# Altium PCB DM2080.PcbDoc (part 3 of 3)
Units mm, origin at the board's own origin, x right, y up, seen from the top; angles counter-clockwise.
Board outline 50.1 x 30.75 mm, 6 copper layers (Top Copper, Layer 1, Layer 2, Layer 3, Layer 4, Bottom Layer), stack 1.578 mm thick; 159 components, 153 nets, 662 pads, 471 vias.
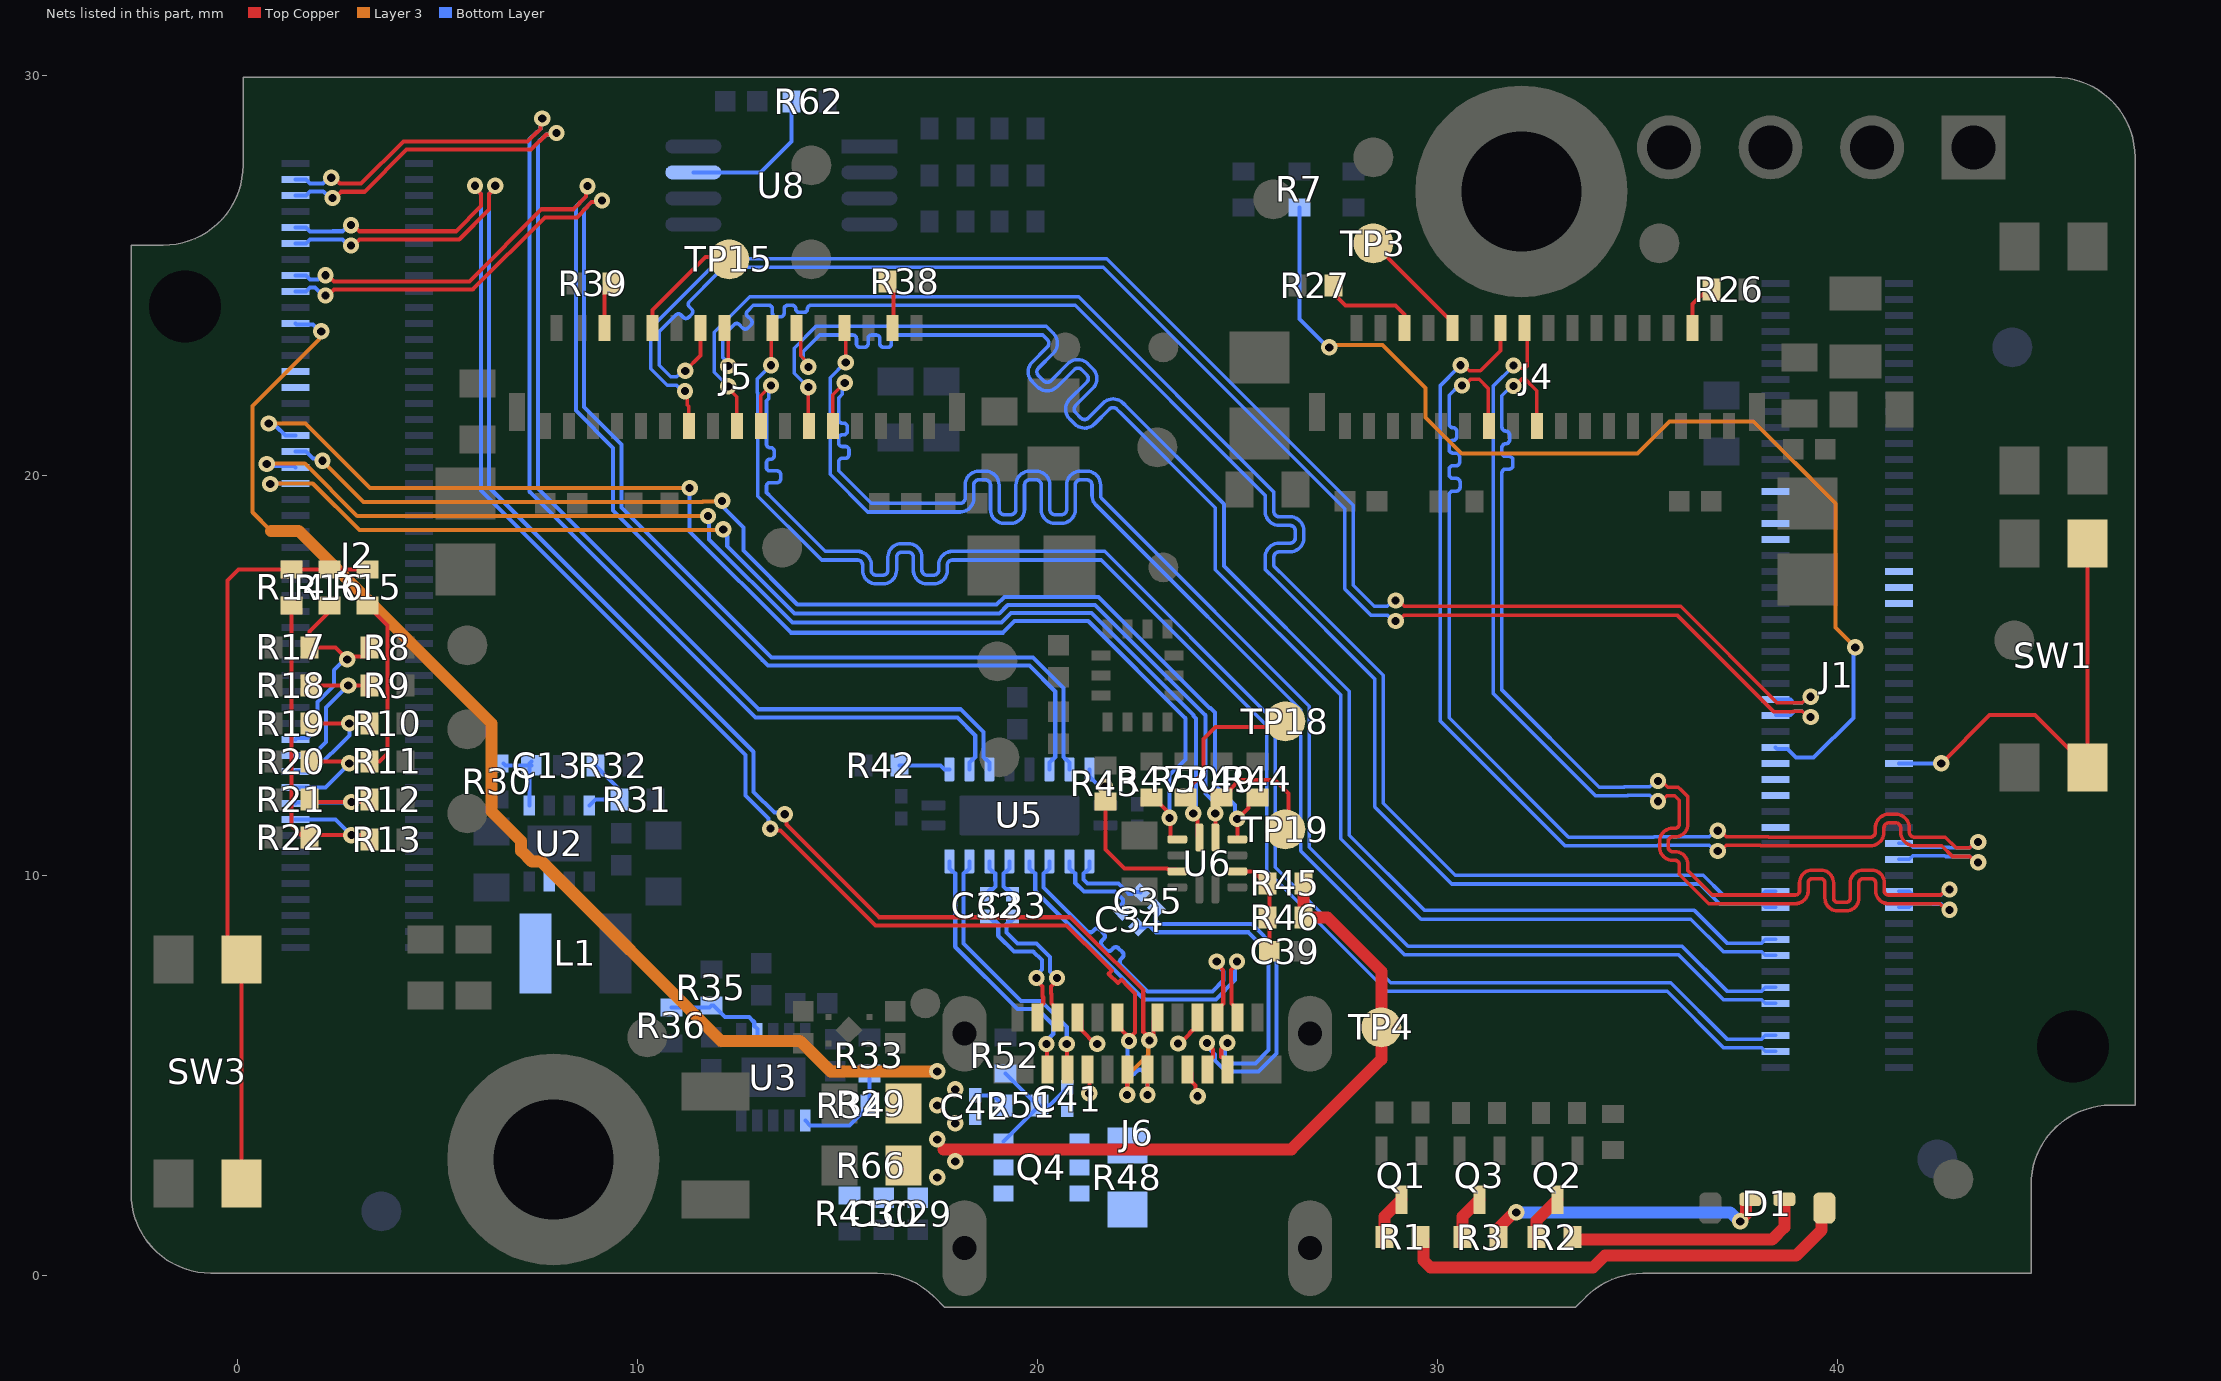
[diagram p7: the nets of this part, all layers, seen from the top]

## Via types
v1: diameter 0.406, hole 0.203, Top Copper to Bottom Layer, tented both sides, 471 vias

## Nets (pads, with @x,y where several pads share a name; then routed paths per layer and width w, separated by ;. In a path a pad name is that pad's centre, name@x,y a point inside that pad or via, vN(x,y) a via of type N, cw(c..) or ccw(c..) an arc to the next point about the centre after c; other vN are vias at no path point) (continued)
MIPI_RX5_D0_N: J1.21 J4.16 | length 28.7
  Top Copper w0.089: v1(31.907,22.743) 31.993,22.743 32.055,22.681 32.199,22.681 32.251,22.733 32.251,23.614 J4.16@32.18,23.684 ; v1(35.519,11.852) 35.604,11.852 35.738,11.986 35.937,11.986 36.047,11.876 ; 36.047,11.877 36.049,11.877 36.05,11.876 36.05,11.679 36.05,11.287 cw(c35.94,11.287) 35.94,11.176 35.884,11.176 ccw(c35.884,10.85) 35.557,10.85 35.557,10.703 ccw(c35.884,10.703) 35.884,10.377 35.94,10.377 cw(c35.94,10.266) 36.05,10.266 36.05,10.114 36.05,10.025 36.782,9.292 38.798,9.292 38.951,9.292 ccw(c38.951,9.613) 39.271,9.613 39.271,9.812 cw(c39.376,9.812) 39.376,9.917 39.585,9.917 cw(c39.585,9.812) 39.69,9.812 39.69,9.432 ccw(c40.01,9.432) 40.01,9.111 40.22,9.111 ccw(c40.22,9.432) 40.54,9.432 40.54,9.812 cw(c40.645,9.812) 40.645,9.917 40.854,9.917 cw(c40.854,9.812) 40.959,9.812 40.959,9.613 ccw(c41.279,9.613) 41.279,9.292 42.49,9.292 42.567,9.292 42.722,9.137 v1(42.808,9.137)
  Bottom Layer w0.089: v1(31.907,22.743) 31.397,22.234 31.397,21.432 31.4,21.429 31.4,14.545 33.955,11.99 34.759,11.99 34.767,11.999 35.308,11.999 35.454,11.852 v1(35.519,11.852) ; J1.21@41.54,9.2 41.8,9.2 41.892,9.292 42.38,9.292 42.388,9.284 42.597,9.284 42.743,9.137 v1(42.808,9.137)
MIPI_RX5_D0_P: J1.23 J4.17 | length 28.7
  Top Copper w0.089: v1(31.907,22.235) 31.943,22.235 32.118,22.41 32.191,22.41 32.488,22.114 J4.17@32.488,21.234 ; v1(35.519,12.36) 35.604,12.36 35.761,12.204 36.027,12.204 36.091,12.14 36.266,11.965 36.266,11.876 36.266,11.679 36.266,11.287 cw(c35.94,11.287) 35.94,10.96 35.884,10.96 ccw(c35.884,10.85) 35.773,10.85 35.773,10.703 ccw(c35.884,10.703) 35.884,10.593 35.94,10.593 cw(c35.94,10.266) 36.266,10.266 36.266,10.114 36.872,9.508 38.798,9.508 38.951,9.508 ccw(c38.951,9.613) 39.055,9.613 39.055,9.812 cw(c39.376,9.812) 39.376,10.132 39.585,10.132 cw(c39.585,9.812) 39.906,9.812 39.906,9.432 ccw(c40.01,9.432) 40.01,9.327 40.22,9.327 ccw(c40.22,9.432) 40.324,9.432 40.324,9.812 cw(c40.645,9.812) 40.645,10.132 40.854,10.132 cw(c40.854,9.812) 41.174,9.812 41.174,9.613 ccw(c41.279,9.613) 41.279,9.508 42.49,9.508 42.584,9.508 42.722,9.645 v1(42.808,9.645)
  Bottom Layer w0.089: v1(31.907,22.235) 31.858,22.235 31.613,21.991 31.613,21.521 31.616,21.518 31.616,21.35 31.616,21.202 ccw(c31.711,21.202) 31.711,21.107 cw(c31.711,21.012) 31.806,21.012 31.806,20.885 cw(c31.711,20.885) 31.711,20.79 ccw(c31.711,20.695) 31.616,20.695 31.616,20.568 ccw(c31.711,20.568) 31.711,20.473 31.796,20.473 cw(c31.796,20.378) 31.891,20.378 31.891,20.252 cw(c31.796,20.252) 31.796,20.156 31.711,20.156 ccw(c31.711,20.061) 31.616,20.061 31.616,19.7 31.616,14.634 34.044,12.206 34.669,12.206 34.678,12.214 35.308,12.214 35.454,12.36 v1(35.519,12.36) ; J1.23@41.54,9.6 41.8,9.6 41.892,9.508 42.469,9.508 42.478,9.499 42.597,9.499 42.743,9.645 v1(42.808,9.645)
MIPI_RX5_D1_N: J1.27 J4.14 | length 28.8
  Top Copper w0.089: v1(30.584,22.753) 30.658,22.753 30.794,22.616 31.079,22.616 31.58,23.117 J4.14@31.58,23.684 ; v1(37.011,10.607) 37.075,10.607 37.221,10.753 38.068,10.753 38.081,10.74 40.672,10.74 40.825,10.74 ccw(c40.825,11.081) 41.166,11.081 41.166,11.187 cw(c41.292,11.187) 41.292,11.312 41.459,11.312 cw(c41.459,11.187) 41.585,11.187 41.585,11.081 ccw(c41.926,11.081) 41.926,10.74 42.487,10.74 42.61,10.74 42.879,10.471 43.31,10.471 43.456,10.325 v1(43.521,10.325)
  Bottom Layer w0.089: v1(30.584,22.753) 30.518,22.753 30.518,22.687 30.078,22.247 30.078,13.853 33.192,10.74 35.502,10.74 35.516,10.753 36.8,10.753 36.946,10.607 v1(37.011,10.607) ; J1.27@41.54,10.4 41.8,10.4 41.892,10.492 42.691,10.492 42.712,10.471 43.31,10.471 43.456,10.325 v1(43.521,10.325)
MIPI_RX5_D1_P: J1.29 J4.13 | length 28.8
  Top Copper w0.089: v1(30.618,22.246) 30.675,22.246 30.829,22.4 31.05,22.4 31.278,22.172 31.278,21.244 J4.13@31.288,21.234 ; v1(37.011,11.115) 37.075,11.115 37.221,10.969 38.27,10.969 38.284,10.956 40.672,10.956 40.825,10.956 ccw(c40.825,11.081) 40.95,11.081 40.95,11.187 cw(c41.292,11.187) 41.292,11.528 41.459,11.528 cw(c41.459,11.187) 41.801,11.187 41.801,11.081 ccw(c41.926,11.081) 41.926,10.956 42.487,10.956 42.7,10.956 42.969,10.687 43.31,10.687 43.456,10.833 v1(43.521,10.833)
  Bottom Layer w0.089: v1(30.618,22.246) 30.542,22.246 30.294,21.998 30.294,21.5 30.294,21.286 ccw(c30.389,21.286) 30.389,21.191 cw(c30.389,21.096) 30.484,21.096 30.484,20.969 cw(c30.389,20.969) 30.389,20.874 ccw(c30.389,20.779) 30.294,20.779 30.294,20.652 ccw(c30.389,20.652) 30.389,20.557 30.464,20.557 cw(c30.464,20.462) 30.559,20.462 30.559,20.335 cw(c30.464,20.335) 30.464,20.24 30.389,20.24 ccw(c30.389,20.145) 30.294,20.145 30.294,20.018 ccw(c30.389,20.018) 30.389,19.923 30.473,19.923 cw(c30.473,19.828) 30.568,19.828 30.568,19.702 cw(c30.473,19.702) 30.473,19.606 30.389,19.606 ccw(c30.389,19.511) 30.294,19.511 30.294,19.15 30.294,13.943 33.282,10.956 35.413,10.956 35.426,10.969 36.8,10.969 36.946,11.115 v1(37.011,11.115) ; J1.29@41.54,10.8 41.8,10.8 41.892,10.708 42.781,10.708 42.802,10.687 43.31,10.687 43.456,10.833 v1(43.521,10.833)
MIPI_RX6_C_N: J1.4 J5.20 | length 39.7
  Top Copper w0.089: v1(13.343,22.754) 13.343,23.663 J5.20@13.38,23.7
  Bottom Layer w0.089: v1(13.343,22.754) 13.278,22.754 13.278,22.689 12.994,22.404 12.994,22.079 13.013,22.059 13.013,19.481 14.486,18.009 14.611,17.884 15.506,17.884 cw(c15.506,17.759) 15.632,17.759 15.632,17.629 ccw(c15.973,17.629) 15.973,17.288 16.141,17.288 ccw(c16.141,17.629) 16.482,17.629 16.482,17.954 cw(c16.608,17.954) 16.608,18.079 16.775,18.079 cw(c16.775,17.954) 16.9,17.954 16.9,17.629 ccw(c17.242,17.629) 17.242,17.288 17.409,17.288 ccw(c17.409,17.629) 17.751,17.629 17.751,17.759 cw(c17.876,17.759) 17.876,17.884 19.084,17.884 21.595,17.884 25.734,13.745 25.734,10.116 28.75,7.1 35.745,7.1 37.153,5.692 38.108,5.692 38.2,5.6 J1.4@38.46,5.6
MIPI_RX6_C_P: J1.6 J5.19 | length 39.6
  Top Copper w0.089: J5.19@13.088,21.25 13.088,21.99 v1(13.343,22.246)
  Bottom Layer w0.089: v1(13.343,22.246) 13.282,22.185 13.282,21.921 13.229,21.868 13.229,21.388 13.229,20.782 ccw(c13.318,20.782) 13.318,20.693 13.334,20.693 cw(c13.334,20.605) 13.422,20.605 13.422,20.489 cw(c13.334,20.489) 13.334,20.401 13.317,20.401 ccw(c13.317,20.314) 13.229,20.314 13.229,20.197 ccw(c13.317,20.197) 13.317,20.11 13.494,20.11 cw(c13.494,20.022) 13.581,20.022 13.581,19.906 cw(c13.494,19.906) 13.494,19.818 13.318,19.818 ccw(c13.318,19.729) 13.229,19.729 13.229,19.571 13.362,19.438 14.486,18.314 14.7,18.1 15.506,18.1 cw(c15.506,17.759) 15.848,17.759 15.848,17.629 ccw(c15.973,17.629) 15.973,17.503 16.141,17.503 ccw(c16.141,17.629) 16.266,17.629 16.266,17.954 cw(c16.608,17.954) 16.608,18.295 16.775,18.295 cw(c16.775,17.954) 17.116,17.954 17.116,17.629 ccw(c17.242,17.629) 17.242,17.503 17.409,17.503 ccw(c17.409,17.629) 17.535,17.629 17.535,17.759 cw(c17.876,17.759) 17.876,18.1 19.084,18.1 21.685,18.1 25.95,13.835 25.95,10.205 28.839,7.316 35.834,7.316 37.242,5.908 38.108,5.908 38.2,6 J1.6@38.46,6
MIPI_RX6_D0_N: J1.10 J5.26 | length 39.8
  Top Copper w0.089: J5.26@15.18,23.7 15.211,23.67 v1(15.211,22.82)
  Bottom Layer w0.089: v1(15.211,22.82) 15.201,22.82 14.819,22.438 14.819,20.025 15.761,19.084 17.917,19.084 18.069,19.084 ccw(c18.069,19.426) 18.411,19.426 18.411,19.761 cw(c18.536,19.761) 18.536,19.886 18.704,19.886 cw(c18.704,19.761) 18.829,19.761 18.829,19.144 ccw(c19.171,19.144) 19.171,18.802 19.338,18.802 ccw(c19.338,19.144) 19.68,19.144 19.68,19.761 cw(c19.805,19.761) 19.805,19.886 19.973,19.886 cw(c19.973,19.761) 20.098,19.761 20.098,19.144 ccw(c20.44,19.144) 20.44,18.802 20.607,18.802 ccw(c20.607,19.144) 20.948,19.144 20.948,19.761 cw(c21.074,19.761) 21.074,19.886 21.241,19.886 cw(c21.241,19.761) 21.367,19.761 21.367,19.499 ccw(c21.708,19.499) 21.467,19.257 21.967,18.758 26.584,14.14 26.584,10.611 29.179,8.016 36.029,8.016 37.153,6.892 38.108,6.892 38.2,6.8 J1.10@38.46,6.8
MIPI_RX6_D0_P: J1.12 J5.25 | length 39.7
  Top Copper w0.089: J5.25@14.888,21.25 14.888,22.013 v1(15.188,22.312)
  Bottom Layer w0.089: v1(15.188,22.312) 15.127,22.252 15.127,22.027 15.035,21.936 15.035,21.85 15.035,21.393 ccw(c15.124,21.393) 15.124,21.304 15.163,21.304 cw(c15.163,21.217) 15.251,21.217 15.251,21.1 cw(c15.163,21.1) 15.163,21.013 15.123,21.013 ccw(c15.123,20.925) 15.035,20.925 15.035,20.809 ccw(c15.123,20.809) 15.123,20.721 15.204,20.721 cw(c15.204,20.634) 15.292,20.634 15.292,20.517 cw(c15.204,20.517) 15.204,20.43 15.124,20.43 ccw(c15.124,20.341) 15.035,20.341 15.035,20.115 15.1,20.05 15.85,19.3 17.917,19.3 18.069,19.3 ccw(c18.069,19.426) 18.195,19.426 18.195,19.761 cw(c18.536,19.761) 18.536,20.102 18.704,20.102 cw(c18.704,19.761) 19.045,19.761 19.045,19.144 ccw(c19.171,19.144) 19.171,19.018 19.338,19.018 ccw(c19.338,19.144) 19.464,19.144 19.464,19.761 cw(c19.805,19.761) 19.805,20.102 19.973,20.102 cw(c19.973,19.761) 20.314,19.761 20.314,19.144 ccw(c20.44,19.144) 20.44,19.018 20.607,19.018 ccw(c20.607,19.144) 20.733,19.144 20.733,19.761 cw(c21.074,19.761) 21.074,20.102 21.241,20.102 cw(c21.241,19.761) 21.583,19.761 21.583,19.499 ccw(c21.708,19.499) 21.619,19.41 22.095,18.935 26.8,14.23 26.8,10.7 29.269,8.231 36.119,8.231 37.242,7.108 38.108,7.108 38.2,7.2 J1.12@38.46,7.2
MIPI_RX6_D1_N: J1.16 J5.22 | length 39.7
  Top Copper w0.089: J5.22@13.98,23.7 14.086,23.594 14.086,22.989 14.275,22.799 v1(14.275,22.713)
  Bottom Layer w0.089: v1(14.275,22.713) 14.275,22.791 14.142,22.924 14.142,23.092 14.559,23.509 15.054,23.509 15.39,23.509 cw(c15.39,23.42) 15.479,23.42 15.479,23.291 ccw(c15.567,23.291) 15.567,23.204 15.683,23.204 ccw(c15.683,23.291) 15.771,23.291 15.771,23.421 cw(c15.858,23.421) 15.858,23.509 15.975,23.509 cw(c15.975,23.421) 16.062,23.421 16.062,23.291 ccw(c16.15,23.291) 16.15,23.204 16.266,23.204 ccw(c16.266,23.291) 16.354,23.291 16.354,23.42 cw(c16.443,23.42) 16.443,23.509 16.847,23.509 19.695,23.509 20.136,23.509 20.249,23.396 cw(c20.155,23.302) 20.249,23.207 19.845,22.803 19.845,22.798 ccw(c20.123,22.588) 19.877,22.34 20.001,22.216 ccw(c20.249,22.462) 20.495,22.215 20.92,22.64 ; 20.92,22.64 cw(c21.014,22.546) 21.109,22.64 21.234,22.515 cw(c21.14,22.421) 21.234,22.326 ; 21.234,22.326 20.778,21.87 20.778,21.865 ccw(c21.056,21.655) 20.81,21.407 20.934,21.283 ccw(c21.182,21.529) 21.428,21.282 21.801,21.655 cw(c21.895,21.561) 21.99,21.655 22.097,21.547 24.451,19.193 24.451,17.643 27.584,14.511 27.584,10.916 29.594,8.906 36.338,8.906 37.153,8.092 38.108,8.092 38.2,8 J1.16@38.46,8
MIPI_RX6_D1_P: J1.18 J5.23 | length 39.6
  Top Copper w0.089: v1(14.275,22.205) 14.275,21.262 J5.23@14.288,21.25
  Bottom Layer w0.089: v1(14.275,22.205) 13.926,22.555 13.926,23.181 14.469,23.724 19.911,23.724 20.226,23.724 20.402,23.548 cw(c20.155,23.302) 20.402,23.055 20.029,22.682 ; 20.029,22.682 ccw(c20.123,22.588) 20.029,22.494 20.155,22.368 ccw(c20.249,22.462) 20.343,22.368 20.799,22.825 20.804,22.825 cw(c21.014,22.546) 21.261,22.793 21.387,22.667 cw(c21.14,22.421) 21.387,22.174 20.962,21.749 ; 20.962,21.749 ccw(c21.056,21.655) 20.962,21.561 21.088,21.435 ccw(c21.182,21.529) 21.276,21.435 21.649,21.808 cw(c21.895,21.561) 22.142,21.808 22.25,21.7 24.667,19.283 24.667,17.733 27.8,14.6 27.8,11.005 29.683,9.122 36.428,9.122 37.242,8.308 38.108,8.308 38.2,8.4 J1.18@38.46,8.4
MIPI_RX7_D0_N: J1.22 J5.16 | length 39.8
  Top Copper w0.089: J5.16@12.18,23.7 12.273,23.607 v1(12.273,22.734)
  Bottom Layer w0.089: v1(12.273,22.734) 12.273,22.811 12.14,22.945 12.14,23.49 12.184,23.534 12.422,23.772 cw(c12.485,23.709) 12.547,23.772 12.638,23.681 ccw(c12.7,23.743) 12.762,23.681 12.844,23.763 ccw(c12.783,23.825) 12.844,23.887 12.754,23.978 cw(c12.816,24.041) 12.754,24.104 12.9,24.25 12.914,24.25 12.954,24.25 13.29,24.25 cw(c13.29,24.161) 13.379,24.161 13.379,24.051 ccw(c13.466,24.051) 13.466,23.964 13.583,23.964 ccw(c13.583,24.051) 13.67,24.051 13.67,24.163 cw(c13.758,24.163) 13.758,24.25 13.874,24.25 cw(c13.874,24.163) 13.962,24.163 13.962,24.161 ccw(c14.049,24.161) 14.049,24.074 14.166,24.074 ccw(c14.166,24.161) 14.253,24.161 cw(c14.342,24.161) 14.342,24.25 14.634,24.25 20.945,24.25 25.699,19.496 25.699,19.25 25.699,19.098 ccw(c26.048,19.098) 26.048,18.749 26.316,18.749 cw(c26.316,18.615) 26.449,18.615 26.449,18.438 cw(c26.316,18.438) 26.316,18.305 26.048,18.305 ccw(c26.048,17.956) 25.699,17.956 25.699,17.646 25.945,17.4 28.434,14.911 28.434,11.711 30.361,9.784 36.561,9.784 37.053,9.292 38.108,9.292 38.2,9.2 J1.22@38.46,9.2
MIPI_RX7_D0_P: J1.24 J5.17 | length 39.8
  Top Copper w0.089: v1(12.273,22.226) 12.273,22.18 12.488,21.965 J5.17@12.488,21.25
  Bottom Layer w0.089: v1(12.273,22.226) 12.208,22.226 12.208,22.291 11.924,22.575 11.924,23.579 12.811,24.466 21.034,24.466 25.915,19.585 25.915,19.25 25.915,19.098 ccw(c26.048,19.098) 26.048,18.964 26.316,18.964 cw(c26.316,18.615) 26.665,18.615 26.665,18.438 cw(c26.316,18.438) 26.316,18.089 26.048,18.089 ccw(c26.048,17.956) 25.915,17.956 25.915,17.735 26.25,17.4 28.65,15 28.65,11.8 30.45,10 36.65,10 37.142,9.508 38.108,9.508 38.2,9.6 J1.24@38.46,9.6
MIPI_RX7_D1_N: J1.46 J5.14 | length 39.7
  Top Copper w0.089: v1(11.198,22.612) 11.58,22.995 J5.14@11.58,23.684 ; v1(28.959,16.361) 29.023,16.361 29.169,16.507 35.993,16.507 38.406,14.094 38.892,14.094 38.9,14.103 39.123,14.103 39.27,13.957 v1(39.334,13.957)
  Bottom Layer w0.089: v1(11.198,22.612) 11.133,22.612 10.987,22.466 10.839,22.466 10.55,22.755 10.55,23.595 10.728,23.772 10.965,24.01 cw(c11.028,23.947) 11.091,24.01 11.154,23.947 ccw(c11.216,24.008) 11.278,23.947 11.36,24.029 ccw(c11.298,24.091) 11.36,24.153 11.297,24.216 cw(c11.36,24.279) 11.297,24.342 12.003,25.047 12.155,25.2 21.65,25.2 27.684,19.166 27.684,17.161 28.337,16.507 28.748,16.507 28.894,16.361 v1(28.959,16.361) ; J1.46@38.46,14 38.834,14 38.937,14.103 39.123,14.103 39.27,13.957 v1(39.334,13.957)
MIPI_RX7_D1_P: J1.48 J5.13 | length 39.6
  Top Copper w0.089: v1(11.192,22.104) 11.243,22.053 11.243,21.768 11.288,21.723 J5.13@11.288,21.25 ; v1(28.959,16.869) 29.023,16.869 29.169,16.723 36.082,16.723 38.495,14.31 38.802,14.31 38.811,14.319 39.123,14.319 39.27,14.465 v1(39.334,14.465)
  Bottom Layer w0.089: v1(11.192,22.104) 11.128,22.104 10.982,22.25 10.75,22.25 10.334,22.666 10.334,23.684 12.066,25.416 21.739,25.416 27.9,19.255 27.9,17.25 28.427,16.723 28.748,16.723 28.894,16.869 v1(28.959,16.869) ; J1.48@38.46,14.4 38.834,14.4 38.915,14.319 39.123,14.319 39.27,14.465 v1(39.334,14.465)
MX/KB_RST: J1.39 SW1.2 SW1.4 | length 11.4
  Top Copper w0.102: v1(42.6,12.8) 43.806,14.006 44.944,14.006 SW1.4@46.25,12.7 SW1.2@46.25,18.3
  Bottom Layer w0.102: J1.39@41.54,12.8 v1(42.6,12.8)
NetC13_2: C13.2 R30.1 U2.1 | length 1.8
  Bottom Layer w0.102: R30.1@6.65,12.8 6.7,12.75 C13.2@7.3,12.75 ; U2.1@7.3,11.75 C13.2@7.3,12.75 ; C13.2@7.35,12.75 C13.2@7.3,12.75 ; C13.2@7.35,12.85 7.3,12.8 C13.2@7.3,12.75
NetC41_1: C41.1 Q4.3 R51.1 R52.2 | length 3.3
  Bottom Layer w0.102: Q4.3@19.15,3.35 R51.1@20.05,4.25 ; R52.2@19.2,5.05 20,4.25 R51.1@20.05,4.25 ; C41.1@20.75,4.7 20.3,4.25 R51.1@20.05,4.25
NetC42_1: C42.1 R51.2 | length 0.8
  Bottom Layer w0.102: C42.1@18.45,4.5 18.9,4.5 R51.2@19.15,4.25
NetD1_2: D1.2 R3.2 | length 7.2
  Top Copper w0.3: R3.2@31.525,0.954 31.525,1.175 31.925,1.575 v1(31.975,1.575) ; v1(37.575,1.35) 37.575,1.379 37.721,1.525 37.721,1.88 37.741,1.9 D1.2@37.825,1.9
  Bottom Layer w0.3: v1(31.975,1.575) 37.321,1.575 37.546,1.35 v1(37.575,1.35)
NetD1_3: D1.3 R2.2 | length 6.2
  Top Copper w0.3: R2.2@33.375,0.954 33.434,0.895 38.37,0.895 38.675,1.2 D1.3@38.675,1.9
NetD1_4: D1.4 R1.2 | length 11.6
  Top Copper w0.3: R1.2@29.575,0.954 29.65,0.879 29.65,0.376 29.738,0.288 29.826,0.2 33.896,0.2 34.19,0.494 38.969,0.494 39.605,1.13 39.605,1.61 D1.4@39.675,1.68
NetJ1_42: J1.42 R7.2 | length 27.3
  Layer 3 w0.102: v1(27.3,23.2) 27.358,23.258 27.51,23.258 27.512,23.26 28.628,23.26 29.7,22.188 29.7,21.45 30.6,20.55 35,20.55 35.8,21.35 37.902,21.35 39.95,19.302 39.95,16.2 v1(40.45,15.7)
  Bottom Layer w0.102: R7.2@26.55,26.7 26.557,26.693 26.557,23.91 27.267,23.2 v1(27.3,23.2) ; J1.42@38.46,13.2 38.499,13.161 38.759,13.161 38.97,12.95 39.047,12.95 39.053,12.944 39.406,12.944 40.4,13.938 40.4,15.65 v1(40.45,15.7)
NetJ2_18: J2.18 R13.1 R14.2 R22.2 | length 9.2
  Top Copper w0.102: R14.2@1.35,16.75 1.35,11.25 1.65,10.95 R22.2@1.8,10.95 1.854,11.004 v1(2.852,11.004) ; v1@2.852,11 2.856,11.004 3.246,11.004 R13.1@3.3,10.95
  Bottom Layer w0.102: J2.18@1.46,11.4 2.45,11.4 2.846,11.004 v1(2.852,11.004)
NetJ2_20: J2.20 R12.1 R21.2 | length 3
  Top Copper w0.102: R21.2@1.8,11.9 1.868,11.832 v1(2.852,11.832) ; v1@2.827,11.832 3.232,11.832 R12.1@3.3,11.9
  Bottom Layer w0.102: J2.20@1.46,11.8 1.476,11.816 2.835,11.816 v1(2.852,11.832)
NetJ2_22: J2.22 R11.1 R15.2 R20.2 | length 7.5
  Top Copper w0.102: R20.2@1.8,12.85 R11.1@3.3,12.85 3.55,12.85 3.75,13.05 3.75,16.25 R15.2@3.25,16.75
  Bottom Layer w0.102: J2.22@1.46,12.2 2.2,12.2 v1(2.8,12.8)
NetJ2_24: J2.24 R10.1 R19.2 | length 3.5
  Top Copper w0.102: R19.2@1.8,13.8 v1(2.8,13.8) R10.1@3.3,13.8
  Bottom Layer w0.102: J2.24@1.46,12.6 1.463,12.603 1.903,12.603 2.8,13.5 v1(2.8,13.8)
NetJ2_26: J2.26 R9.1 R18.2 | length 4
  Top Copper w0.102: R18.2@1.8,14.75 R9.1@3.3,14.75
  Bottom Layer w0.102: J2.26@1.46,13 1.473,13.013 1.9,13.013 2.217,13.33 2.217,14.194 v1(2.773,14.749)
NetJ2_28: J2.28 R8.1 R16.2 R17.2 | length 5.7
  Top Copper w0.102: R16.2@2.25,16.75 2.25,16.55 1.8,16.1 R17.2@1.8,15.7 2.45,15.7 v1(2.75,15.4) 2.832,15.4 2.908,15.476 3.126,15.476 3.3,15.65 R8.1@3.3,15.7
  Bottom Layer w0.102: J2.28@1.46,13.4 1.499,13.439 1.759,13.439 2,13.68 2,14.331 2.413,14.743 2.413,15.128 2.685,15.4 v1(2.75,15.4)
NetJ4_6: J4.6 R27.1 | length 2.4
  Top Copper w0.102: R27.1@27.325,24.625 27.7,24.25 28.95,24.25 29.18,24.02 J4.6@29.18,23.684
NetJ4_30: J4.30 R26.2 | length 1.2
  Top Copper w0.102: J4.30@36.38,23.684 36.38,24.28 36.75,24.65 R26.2@36.85,24.65
NetJ5_6: J5.6 R39.1 | length 1.2
  Top Copper w0.102: J5.6@9.18,23.684 9.18,24.63 R39.1@9.35,24.8
NetJ5_30: J5.30 R38.2 | length 1.3
  Top Copper w0.102: R38.2@16.25,24.85 16.4,24.7 J5.30@16.4,23.6
NetL1_1: L1.1 U2.7
NetQ1_3: Q1.3 R1.1 | length 1.1
  Top Copper w0.3: R1.1@28.675,0.954 28.675,1.465 Q1.3@29.1,1.89
NetQ2_3: Q2.3 R2.1 | length 1.2
  Top Copper w0.3: R2.1@32.475,0.954 32.475,1.365 Q2.3@33,1.89
NetQ3_3: Q3.3 R3.1 | length 1.1
  Top Copper w0.3: R3.1@30.625,0.954 30.625,1.465 Q3.3@31.05,1.89
NetR14_1: R14.1 R15.1 R16.1 SW3.1 SW3.3 | length 18.8
  Top Copper w0.102: SW3.1@0.1,2.3 SW3.3@0.1,7.9 -0.25,8.25 -0.25,17.375 0.025,17.65 1.2,17.65 R14.1@1.35,17.65 2.193,17.65 R15.1@3.2,17.65 ; R16.1@2.193,17.657 R16.1@2.2,17.65
NetR31_1: R31.1 R32.2 U2.4 | length 1.8
  Bottom Layer w0.102: U2.4@8.8,11.75 8.95,11.9 R31.1@9.5,11.9 ; R32.2@8.95,12.75 9.55,12.15 R31.1@9.55,11.95
NetR33_1: R33.1 R34.1 U3.1 | length 2.7
  Bottom Layer w0.102: U3.1@14.2,3.871 14.32,3.75 15.3,3.75 R34.1@15.8,4.25 R33.1@15.8,5.05
NetR35_1: R35.1 R36.1 U3.7 | length 2.6
  Bottom Layer w0.102: R36.1@10.85,6.7 11.8,6.7 R35.1@11.85,6.75 11.9,6.75 12.189,6.461 12.409,6.461 12.714,6.461 12.79,6.461 ; 12.812,6.439 12.924,6.328 12.924,6.233 13,6.157 U3.7@13,6.03
NetR42_1: R42.1 U5.2 | length 1.3
  Bottom Layer w0.102: R42.1@16.55,12.75 17.575,12.75 17.675,12.65 U5.2@17.8,12.65
NetR43_1: R43.1 U5.9 U6.11 | length 4.3
  Top Copper w0.102: v1(21.692,12.22) 21.692,11.858 R43.1@21.7,11.85 21.7,10.65 22.18,10.17 23.241,10.17 23.262,10.149 23.451,10.149 U6.11@23.5,10.1
  Bottom Layer w0.102: U5.9@21.3,12.65 21.3,12.475 21.496,12.279 21.634,12.279 v1(21.692,12.22)
NetR62_2: R62.2 U8.7 | length 3.8
  Bottom Layer w0.102: U8.7@11.4,27.575 13.075,27.575 13.85,28.35 R62.2@13.85,29.35
RXB_N: J6.B10 U5.18 | length 6.6
  Top Copper w0.102: v1(20.737,5.784) 20.743,5.777 20.743,5.357 20.75,5.35 J6.B10@20.75,5.15
  Bottom Layer w0.102: U5.18@18.3,10.35 18.3,10.175 18.226,10.101 18.211,10.101 18.152,10.041 18.152,8.298 19.592,6.858 20.088,6.858 20.737,6.21 v1(20.737,5.784)
RXB_P: J6.B11 U5.19 | length 6.7
  Top Copper w0.102: v1(20.229,5.784) 20.239,5.773 20.239,5.361 20.25,5.35 J6.B11@20.25,5.15
  Bottom Layer w0.102: U5.19@17.8,10.35 17.8,10.175 17.874,10.101 17.889,10.101 17.948,10.041 17.948,8.214 19.507,6.655 20.004,6.655 20.398,6.26 20.398,6.036 20.229,5.867 v1(20.229,5.784)
RXC_N: J6.A10 U5.14 | length 9.1
  Top Copper w0.102: v1(24.487,7.847) 24.487,7.787 24.639,7.635 24.639,7.246 24.648,7.237 24.648,6.798 24.5,6.65 J6.A10@24.5,6.45
  Bottom Layer w0.102: U5.14@20.3,10.35 20.3,10.175 20.226,10.101 20.211,10.101 20.152,10.041 20.152,9.698 20.402,9.448 21.246,8.604 ccw(c21.318,8.676) 21.389,8.604 21.427,8.642 cw(c21.497,8.572) 21.567,8.642 21.66,8.549 cw(c21.59,8.479) 21.66,8.409 21.621,8.369 ccw(c21.69,8.299) 21.621,8.229 21.714,8.136 ccw(c21.784,8.206) 21.854,8.136 21.893,8.176 cw(c21.963,8.106) 22.033,8.176 22.126,8.083 cw(c22.057,8.013) 22.126,7.943 22.089,7.905 ccw(c22.16,7.833) 22.089,7.761 22.358,7.492 22.75,7.1 24.378,7.1 24.648,7.37 24.648,7.603 24.487,7.764 v1(24.487,7.847)
RXC_P: J6.A11 U5.15 | length 9.1
  Top Copper w0.102: v1(24.995,7.847) 24.995,7.787 24.843,7.635 24.843,7.33 24.852,7.321 24.852,6.798 25,6.65 J6.A11@25,6.45
  Bottom Layer w0.102: U5.15@19.8,10.35 19.8,10.175 19.874,10.101 19.889,10.101 19.948,10.041 19.948,9.614 22.666,6.897 24.462,6.897 24.944,7.379 24.944,7.796 v1(24.995,7.847)
SD_HST0_CD: J1.59
SD_HST0_CLK: J1.61
SD_HST0_CMD: J1.63
SD_HST0_D0: J1.40
SD_HST0_D1: J1.38
SD_HST0_D2: J1.36
SD_HST0_D3: J1.32
SPI1_CS_0: J1.70
SPI1_SCK: J1.74
SPI1_SIO3: J1.68
STROBEL: J4.10 TP3.1 | length 3
  Top Copper w0.102: TP3.1@28.4,25.8 30.242,23.958 30.281,23.958 30.38,23.859 J4.10@30.38,23.684
STROBER: J5.10 TP15.1 | length 3
  Top Copper w0.102: J5.10@10.38,23.684 10.38,24.136 11.707,25.463 12.163,25.463 12.2,25.5 TP15.1@12.3,25.4
TOF_IO_1: J2.72
TOF_IO_2: J2.74
TXB1_N: C33.2 U5.16 | length 1
  Bottom Layer w0.102: U5.16@19.3,10.35 19.3,10.175 19.226,10.101 19.211,10.101 19.152,10.041 19.152,9.949 19.153,9.947 19.153,9.72 19.213,9.66 19.267,9.66 19.377,9.551 C33.2@19.377,9.531
TXB1_P: C32.2 U5.17 | length 1
  Bottom Layer w0.102: C32.2@18.727,9.531 18.727,9.551 18.836,9.66 18.89,9.66 18.95,9.72 18.95,9.863 18.948,9.865 18.948,10.041 18.889,10.101 18.874,10.101 18.8,10.175 U5.17@18.8,10.35
TXB_N: C33.1 J6.A3 | length 3.6
  Top Copper w0.102: v1(20.49,7.433) 20.49,7.373 20.337,7.221 20.337,7.051 20.352,7.037 20.352,6.798 20.5,6.65 J6.A3@20.5,6.45
  Bottom Layer w0.102: C33.1@19.45,8.97 19.45,8.95 19.341,8.841 19.286,8.841 19.227,8.781 19.227,8.573 19.5,8.3 19.982,8.3 20.318,7.964 20.318,7.599 20.484,7.433 v1(20.49,7.433)
TXB_P: C32.1 J6.A2 | length 3.6
  Top Copper w0.102: v1(19.982,7.433) 19.982,7.373 20.134,7.221 20.134,6.967 20.148,6.952 20.148,6.798 20,6.65 J6.A2@20,6.45
  Bottom Layer w0.102: C32.1@18.8,8.97 18.8,8.95 18.909,8.841 18.964,8.841 19.023,8.781 19.023,8.489 19.416,8.097 19.898,8.097 20.115,7.88 20.115,7.649 19.982,7.515 v1(19.982,7.433)
TXC1_N: C35.2 U5.12 | length 2.1
  Bottom Layer w0.102: U5.12@21.3,10.35 21.3,10.175 21.226,10.101 21.211,10.101 21.152,10.041 21.152,9.898 21.253,9.796 22.031,9.796 22.286,9.541 22.371,9.541 22.413,9.583 22.567,9.583 C35.2@22.581,9.569
TXC1_P: C34.2 U5.13 | length 2.3
  Bottom Layer w0.102: U5.13@20.8,10.35 20.8,10.175 20.874,10.101 20.889,10.101 20.948,10.041 20.948,9.813 21.169,9.593 21.947,9.593 22.143,9.397 22.143,9.313 22.1,9.271 22.1,9.116 C34.2@22.115,9.102
TXC_N: C35.1 J6.B3 | length 9.4
  Top Copper w0.102: v1(24.243,5.81) 24.243,5.805 24.396,5.652 24.396,5.46 24.385,5.449 24.349,5.449 24.25,5.35 J6.B3@24.25,5.15
  Bottom Layer w0.102: C35.1@22.977,9.173 22.991,9.159 22.991,9.004 22.949,8.962 22.949,8.878 23.047,8.78 25.367,8.78 25.985,8.162 25.985,5.548 25.534,5.097 24.716,5.097 24.445,5.368 24.445,5.525 24.243,5.727 v1(24.243,5.81)
TXC_P: C34.1 J6.B2 | length 8.5
  Top Copper w0.102: J6.B2@24.75,5.15 24.75,5.35 24.651,5.449 24.61,5.449 24.599,5.461 24.599,5.652 24.751,5.804 v1(24.751,5.812)
  Bottom Layer w0.102: C34.1@22.511,8.706 22.525,8.692 22.679,8.692 22.721,8.734 22.806,8.734 22.963,8.577 25.283,8.577 25.782,8.078 25.782,5.632 25.45,5.3 24.8,5.3 24.695,5.405 24.695,5.756 v1(24.751,5.812)
USB_D_N: J2.90 J6.A7 J6.B7 | length 39.9
  Top Copper w0.102: v1(2.843,25.746) 2.903,25.746 3.055,25.899 5.549,25.899 6.297,26.647 6.297,27.028 6.45,27.181 v1(6.45,27.24) ; v1(13.685,11.526) 13.727,11.484 13.727,11.269 16.042,8.953 20.819,8.953 21.263,8.509 21.271,8.509 22.649,7.13 22.649,6.085 22.802,5.933 v1(22.802,5.876) ; v1(22.246,4.512) 22.248,4.514 22.248,5.148 J6.B7@22.25,5.15 ; v1@22.896,5.98 22.901,5.985 22.901,6.351 J6.A7@23,6.45
  Layer 3 w0.102: v1(22.246,4.512) 22.252,4.518 22.252,4.998 22.774,5.52 22.774,5.848 v1(22.802,5.876)
  Bottom Layer w0.102: J2.90@1.46,25.8 1.72,25.8 1.818,25.898 2.475,25.898 ; 2.475,25.899 2.631,25.899 2.784,25.746 v1(2.843,25.746) ; v1(6.45,27.24) 6.45,27.181 6.297,27.028 6.297,19.703 12.91,13.09 12.91,12.086 13.427,11.568 13.643,11.568 v1(13.685,11.526)
USB_D_P: J2.92 J6.A6 J6.B6 | length 40.1
  Top Copper w0.102: v1(2.843,26.254) 2.903,26.254 3.055,26.102 5.465,26.102 6.094,26.731 6.094,27.028 5.942,27.181 v1(5.942,27.24) ; v1(13.325,11.167) 13.368,11.125 13.583,11.125 15.958,8.75 20.735,8.75 21.183,8.302 21.183,8.297 21.195,8.297 21.597,7.895 21.866,7.626 21.78,7.54 22.013,7.306 22.099,7.393 22.271,7.221 22.446,7.046 22.446,6.073 22.289,5.916 v1@22.289,5.866 ; J6.A6@22,6.45 22,6.25 v1@22.235,6.015 ; v1@22.289,5.863 v1@22.289,5.866 ; v1(22.294,5.861) v1@22.289,5.866 ; J6.B6@22.75,5.15 J6.B6@22.75,5.15 22.752,4.514 v1(22.754,4.512)
  Bottom Layer w0.102: J2.92@1.46,26.2 1.72,26.2 1.818,26.101 2.391,26.101 ; 2.391,26.102 2.631,26.102 2.784,26.254 v1(2.843,26.254) ; v1(5.942,27.24) 5.942,27.181 6.094,27.028 6.094,19.619 12.707,13.006 12.707,12.001 13.283,11.425 13.283,11.209 v1(13.325,11.167) ; v1@22.252,5.702 22.252,5.498 22.281,5.469 cw(c22.209,5.397) 22.281,5.326 22.22,5.265 ccw(c22.284,5.2) 22.22,5.136 22.306,5.049 ccw(c22.37,5.114) 22.435,5.049 22.496,5.11 cw(c22.568,5.039) 22.64,5.11 22.676,5.074 22.754,4.996 v1(22.754,4.512)
USB_ID: J2.66 R47.1 U6.9 | length 31.6
  Top Copper w0.102: R47.1@23,11.85 23.245,11.605 23.245,11.379 v1@23.233,11.367 ; v1(23.304,11.437) v1@23.233,11.367 ; U6.9@23.5,10.9 23.376,10.9 23.327,10.949 23.327,11.296 23.257,11.367 v1@23.233,11.367
  Layer 3 w0.102: v1(0.786,21.298) 0.792,21.292 1.708,21.292 3.314,19.686 v1(11.309,19.686)
  Bottom Layer w0.102: v1(0.786,21.298) 0.844,21.24 0.96,21.24 1.2,21 J2.66@1.46,21 ; v1(11.309,19.686) 11.309,18.597 13.84,16.066 19.141,16.066 19.429,16.354 21.273,16.354 23.7,13.927 23.7,12.9 23.304,12.504 v1(23.304,11.437)
USB_OUT1: J2.60 R49.1 TP19.1 U6.7 | length 33.3
  Top Copper w0.102: U6.7@24.45,10.95 v1(24.45,11.55) 24.45,11.776 24.524,11.85 R49.1@24.6,11.85 ; R49.1@24.6,11.95 24.65,11.95 24.824,12.124 24.824,12.164 25.048,12.387 25.945,12.387 26.283,12.049 TP19.1@26.283,11.136
  Layer 3 w0.102: v1(0.824,19.783) 0.841,19.8 1.886,19.8 3.057,18.628 12.128,18.628 v1(12.15,18.65)
  Bottom Layer w0.102: v1(0.824,19.783) 0.833,19.791 1.452,19.791 J2.60@1.46,19.8 ; v1(12.15,18.65) 12.15,18.568 12.248,18.47 12.248,18.233 13.932,16.549 19.049,16.549 19.261,16.76 21.442,16.76 24.2,14.002 24.2,12.05 24.425,11.825 24.425,11.575 v1(24.45,11.55)
USB_OUT2: J2.62 R50.1 TP18.1 U6.8 | length 34.6
  Top Copper w0.102: R50.1@23.7,11.85 23.826,11.85 23.9,11.776 v1(23.9,11.55) 23.9,11.468 24.001,11.367 24.001,10.999 U6.8@24.05,10.95 ; R50.1@23.7,11.95 23.868,12.118 23.868,12.268 24.159,12.559 24.159,13.409 24.459,13.709 26.059,13.709 TP18.1@26.2,13.85
  Layer 3 w0.102: v1(0.736,20.283) 0.748,20.295 1.687,20.295 2.998,18.984 v1(11.767,18.984)
  Bottom Layer w0.102: v1(0.736,20.283) 0.78,20.239 1.421,20.239 J2.62@1.46,20.2 ; v1(11.767,18.984) 11.793,18.959 11.793,18.401 13.874,16.319 19.107,16.319 19.345,16.557 21.358,16.557 23.903,14.011 23.903,13.985 23.964,13.924 23.964,11.762 23.958,11.756 23.958,11.608 v1(23.9,11.55)
USB_OUT3: J2.64 R44.1 U6.6 | length 30.4
  Top Copper w0.102: U6.6@25,10.9 v1(24.999,11.412) 25.276,11.689 25.276,11.776 25.35,11.85 R44.1@25.5,11.85
  Layer 3 w0.102: v1(2.132,20.365) 2.132,20.353 3.154,19.331 11.627,19.331 11.645,19.349 12.107,19.349 v1(12.122,19.363)
  Bottom Layer w0.102: J2.64@1.46,20.6 1.72,20.6 1.896,20.424 2.074,20.424 v1(2.132,20.365) ; v1(12.122,19.363) 12.18,19.305 12.18,19.171 12.65,18.701 12.65,18.118 13.999,16.769 18.983,16.769 19.177,16.963 21.526,16.963 24.31,14.18 24.332,14.18 24.437,14.074 24.437,12.263 24.941,11.759 24.941,11.471 v1(24.999,11.412)
USB_RX_N: J2.96 U5.4 | length 31.2
  Top Copper w0.102: v1(2.38,26.932) 2.434,26.932 2.592,27.09 3.177,27.09 4.234,28.147 7.34,28.147 7.555,28.361 7.566,28.361 7.724,28.519 7.939,28.519 v1(7.981,28.561)
  Bottom Layer w0.102: J2.96@1.46,27 1.72,27 1.818,27.098 2.149,27.098 2.315,26.932 v1(2.38,26.932) ; v1(7.981,28.561) 7.939,28.519 7.724,28.519 7.583,28.379 7.572,28.379 7.513,28.319 7.513,19.675 9.044,18.144 13.034,14.153 18.084,14.153 18.652,13.586 18.652,12.959 18.711,12.899 18.726,12.899 18.8,12.825 U5.4@18.8,12.65
USB_RX_P: J2.98 U5.3 | length 31.2
  Top Copper w0.102: v1(2.35,27.44) 2.415,27.44 2.562,27.293 3.093,27.293 4.15,28.35 7.256,28.35 7.471,28.565 7.482,28.565 7.58,28.663 7.58,28.878 v1(7.622,28.92)
  Bottom Layer w0.102: J2.98@1.46,27.4 1.72,27.4 1.818,27.301 2.138,27.301 2.277,27.44 v1(2.35,27.44) ; v1(7.622,28.92) 7.58,28.878 7.58,28.663 7.499,28.582 7.488,28.582 7.31,28.403 7.31,19.59 8.84,18.06 8.9,18 12.95,13.95 18,13.95 18.448,13.502 18.448,12.959 18.389,12.899 18.374,12.899 18.3,12.825 U5.3@18.3,12.65
USB_TX_N: J2.84 U5.8 | length 32.2
  Top Copper w0.102: v1(2.207,24.496) 2.266,24.496 2.419,24.648 5.886,24.648 7.687,26.45 8.493,26.45 8.76,26.716 8.76,26.73 8.858,26.828 9.073,26.828 v1(9.115,26.87)
  Bottom Layer w0.102: J2.84@1.46,24.6 1.72,24.6 1.818,24.698 1.945,24.698 2.147,24.496 v1(2.207,24.496) ; v1(9.115,26.87) 9.073,26.828 8.858,26.828 8.669,26.639 8.669,21.704 9.6,20.773 9.6,19.2 13.35,15.45 19.887,15.45 20.652,14.686 20.652,12.959 20.711,12.899 20.726,12.899 20.8,12.825 U5.8@20.8,12.65
USB_TX_P: J2.86 U5.7 | length 32.1
  Top Copper w0.102: v1(2.207,25.004) 2.266,25.004 2.419,24.852 5.802,24.852 7.603,26.653 8.409,26.653 8.556,26.8 8.556,26.815 8.714,26.972 8.714,27.188 v1(8.756,27.23)
  Bottom Layer w0.102: J2.86@1.46,25 1.72,25 1.818,24.901 2.022,24.901 2.124,25.004 v1(2.207,25.004) ; v1(8.756,27.23) 8.714,27.188 8.714,26.972 8.465,26.724 8.465,21.704 8.465,21.62 9.397,20.688 9.397,19.116 13.122,15.39 13.266,15.247 19.803,15.247 20.448,14.602 20.448,12.959 20.389,12.899 20.374,12.899 20.3,12.825 U5.7@20.3,12.65
VBUS: C29.2 C30.2 C42.2 J2.80 Q4.1 Q4.2 Q4.5 Q4.6 R29.1 R41.2 R45.1 R46.1 R48.2 R66.1 TP4.1 | length 47.7
  Top Copper w0.3: 17.65,3.15 26.35,3.15 28.6,5.4 28.6,7.6 27.25,8.95 R46.1@26.65,8.95 R45.1@26.65,9.8
  Layer 3 w0.102: 0.843,18.614 0.38,19.077 0.38,21.73 2.042,23.392 2.042,23.542 v1(2.1,23.6)
  Layer 3 w0.3: 0.843,18.614 1.119,18.614 1.536,18.614 6.35,13.8 6.35,11.601 7.095,10.856 7.095,10.612 7.362,10.345 7.606,10.345 12.089,5.862 14.066,5.862 14.828,5.1 v1(17.5,5.1)
  Bottom Layer w0.102: J2.80@1.46,23.8 1.484,23.776 1.888,23.776 2.064,23.6 v1(2.1,23.6)
  other v1: 17.5,2.45 17.95,2.85 17.5,3.4 17.95,3.8 17.5,4.25 17.95,4.65
VBUS_DET: C39.2 R45.2 R46.2 U6.4 | length 2.9
  Top Copper w0.102: U6.4@25,10.1 25.4,10.1 25.45,10.05 25.7,9.8 R45.2@25.75,9.8 ; R45.2@25.694,9.85 25.85,9.85 25.8,9.8 R45.2@25.75,9.8 ; C39.2@25.8,8.1 25.8,9.75 R45.2@25.75,9.8
VBUSIN: C41.2 J6.A4 J6.A9 J6.B4 J6.B9 Q4.4 R48.1 | length 3.2
  Top Copper w0.102: J6.A4@21,6.45 21.099,6.351 21.099,6.135 21.447,5.788 v1(21.5,5.788) ; J6.B9@21.25,5.15 21.3,5.1 v1(21.3,4.55) ; v1(23.521,5.795) 23.561,5.795 23.802,6.037 23.802,6.052 23.95,6.2 24,6.2 J6.A9@24,6.45 ; J6.B4@23.75,5.15 23.849,5.051 23.849,4.851 23.949,4.751 23.949,4.535 v1(24.008,4.477)
pads on no net: FID1.1 FID2.1 FID3.1 FID4.1 FID5.1 FID6.1 J1.37 J1.41 J1.47 J1.49 J1.52 J1.55 J1.56 J1.57 J1.65 J2.25 J2.27 J2.31 J2.33 J2.35 J2.37 J2.41 J2.43 J2.45 J2.47 J2.48 J2.50 J2.51 J2.52 J2.53 J2.58 J2.63 J2.65 J2.68 J2.69 J2.70 J2.71 J2.75 J2.76 J2.77 J2.81 J2.83 J2.89 J2.91 J2.95 J2.97 J4.0 J5.0 J6.A8 J6.B8 U1.2 U1.3 U1.10 U1.11 U2.6

## Polygon pours and split planes (outlines as drawn)
GND on Top Copper "GND_L01_P029" (solid, remove dead copper, pour order 29): -0.653,0.053 9.872,0.051 16.007,0.051 cw(c16.007,-1.949) 17.421,-0.535 17.536,-0.65 33.5,-0.65 33.943,-0.279 cw(c34.727,-1.063) 34.726,0.046 44.853,0.051 44.85,0.051 44.85,2.251 cw(c46.85,2.251) 46.85,4.251 47.45,4.251 47.45,27.95 ccw(c45.451,27.95) 45.45,29.949 45.45,29.95 43.066,29.95 43.051,29.95 0.151,29.95 0.151,27.75 cw(c-1.849,27.75) -1.849,25.75 -2.65,25.75 -2.65,2.051 ccw(c-0.653,2.051)
GND on Top Copper "GND_L01_P019" (solid, remove dead copper, pour order 24): -0.653,0.053 9.872,0.051 16.007,0.051 cw(c16.007,-1.949) 17.421,-0.535 17.536,-0.65 33.386,-0.65 34.025,-0.125 cw(c34.471,-0.608) 34.399,0.045 44.845,0.051 44.85,0.051 44.85,2.251 cw(c46.85,2.251) 46.85,4.251 47.45,4.251 47.45,27.95 ccw(c45.451,27.95) 45.45,29.949 45.45,29.95 43.066,29.95 43.051,29.95 0.151,29.95 0.151,27.75 cw(c-1.849,27.75) -1.849,25.75 -2.65,25.75 -2.65,2.051 ccw(c-0.653,2.051)
5V on Top Copper "¸" (solid, pour order 1): 15.9,2.25 15.9,4.45 13.1,7.25 11.3,7.25 8.05,10.5 0.45,10.5 0.45,7.8 6.3,7.8 11.85,2.25
VBUS on Top Copper "¸" (solid, pour order 15): 16.15,5.35 16.15,1.95 18.35,1.95 18.35,5.35
1V2 on Top Copper "1V2_L01_P000" (solid, pour order 0): 10.85,8.281 11.95,8.281 11.95,10.35 11.05,11.25 11.05,13.35 13.639,15.939 20.567,15.939 21.539,16.911 21.214,17.236 20.4,17.236 19.864,16.7 11.8,16.7 9.65,14.55 9.65,10.3 10.85,9.1
GND on Bottom Layer "GND_L06_P028" (solid, remove dead copper, pour order 28): -0.653,0.053 9.872,0.051 16.007,0.051 cw(c16.007,-1.949) 17.421,-0.535 17.686,-0.799 33.465,-0.799 33.735,-0.529 33.724,-0.54 cw(c35.138,-1.954) 35.139,0.046 44.845,0.051 44.85,0.051 44.85,2.251 cw(c46.85,2.251) 46.85,4.251 47.45,4.251 47.45,27.95 ccw(c45.451,27.95) 45.45,29.949 45.45,29.95 43.066,29.95 43.051,29.95 0.151,29.95 0.151,27.75 cw(c-1.849,27.75) -1.849,25.75 -2.65,25.75 -2.65,2.051 ccw(c-0.653,2.051)
2V8 on Bottom Layer "2V8_L06_P010" (solid, pour order 10): 13.527,6.309 13.527,6.523 12.84,7.21 12.84,7.86 11.59,7.86 11.575,7.875 11.575,7.425 12.46,6.54 12.889,6.54 13.4,6.03
VBUSIN on Bottom Layer "¸" (solid, pour order 2): 24.15,5.95 24.15,5.25 24.5,4.9 24.5,3.4 24.1,3 21.45,3 20.4,3 20.4,4.6 20.95,5.15 20.95,5.95 21.25,6.25 23.85,6.25
1V8 on Bottom Layer "1V8_L06_P009" (solid, pour order 9): 14.073,6.309 14.959,6.309 15.65,7 15.65,7.8 16.95,7.8 16.95,6.45 16.14,5.64 14.183,5.64 14.073,5.75
VBUS on Bottom Layer "¸" (solid, pour order 3): 22.75,2.1 22.3,2.1 21.55,2.85 19.1,2.85 18.55,3.4 18.55,4.45 17.65,5.35 16.6,5.35 15,3.75 15,1.75 15.15,1.6 20.9,1.6 21.35,1.15 22.75,1.15
5V on Bottom Layer "5V_L06_P007" (solid, pour order 7): 7.3,10.15 6.8,10.15 6.65,10 6.65,9.5 6.75,9.4 7.15,9.4 7.3,9.55
NetL1_1 on Bottom Layer "NETL1_1_L06_P005" (solid, pour order 5): 7.85,7.1 7.85,9 8.15,9.3 8.15,10.25 7.55,10.25 7.55,9.6 7.05,9.1 7.05,7.1
1V2 on Bottom Layer "1V2_L06_P004" (solid, pour order 4): 11.1,7.8 11.85,8.55 11.85,9.95 10.35,9.95 9.8,10.5 9.2,10.5 8.85,10.15 8.85,9.25 9.1,9 9.1,7.8
1V8 on Layer 3 "1V8_L04_P012" (solid, pour order 12): 16.001,6.6 16.95,7.549 16.95,12.368 18.057,13.475 22.375,13.475 22.844,13.006 24.937,13.006 25.1,13.168 25.1,13.95 22.95,16.1 22.95,19.3 26.7,23.05 26.7,23.75 22.3,23.75 15.7,17.15 5.1,17.15 4.7,16.75 4.7,16.45 9.05,12.1 9.05,8.85 11.3,6.6
GND on Layer 3 "GND_L03_P026" (solid, remove dead copper, pour order 26): -0.653,0.053 9.872,0.051 16.007,0.051 cw(c16.007,-1.949) 17.421,-0.535 17.686,-0.799 33.465,-0.799 33.735,-0.529 33.724,-0.54 cw(c35.138,-1.954) 35.139,0.046 44.845,0.051 44.85,0.051 44.85,2.251 cw(c46.85,2.251) 46.85,4.251 47.45,4.251 47.45,27.95 ccw(c45.451,27.95) 45.45,29.949 45.45,29.95 43.066,29.95 43.051,29.95 0.151,29.95 0.151,27.75 cw(c-1.849,27.75) -1.849,25.75 -2.65,25.75 -2.65,2.051 ccw(c-0.653,2.051)
GND on Layer 1 "GND_L02_P025" (solid, remove dead copper, pour order 25): -0.653,0.053 9.872,0.051 16.007,0.051 cw(c16.007,-1.949) 17.421,-0.535 17.686,-0.799 33.465,-0.799 33.735,-0.529 33.724,-0.54 cw(c35.138,-1.954) 35.139,0.046 44.845,0.051 44.85,0.051 44.85,2.251 cw(c46.85,2.251) 46.85,4.251 47.45,4.251 47.45,27.95 ccw(c45.451,27.95) 45.45,29.949 45.45,29.95 43.066,29.95 43.051,29.95 0.151,29.95 0.151,27.75 cw(c-1.849,27.75) -1.849,25.75 -2.65,25.75 -2.65,2.051 ccw(c-0.653,2.051)
GND on Layer 4 "GND_L05_P027" (solid, remove dead copper, pour order 27): -0.653,0.053 9.872,0.051 16.007,0.051 cw(c16.007,-1.949) 17.421,-0.535 17.686,-0.799 33.465,-0.799 33.735,-0.529 33.724,-0.54 cw(c35.138,-1.954) 35.139,0.046 44.845,0.051 44.85,0.051 44.85,2.251 cw(c46.85,2.251) 46.85,4.251 47.45,4.251 47.45,27.95 ccw(c45.451,27.95) 45.45,29.949 45.45,29.95 43.066,29.95 43.051,29.95 0.151,29.95 0.151,27.75 cw(c-1.849,27.75) -1.849,25.75 -2.65,25.75 -2.65,2.051 ccw(c-0.653,2.051)
GND on Layer 2 "GND_L03_P030" (solid, remove dead copper, pour order 30): -0.653,0.053 9.872,0.051 16.007,0.051 cw(c16.007,-1.949) 17.421,-0.535 17.686,-0.799 33.465,-0.799 33.735,-0.529 33.724,-0.54 cw(c35.138,-1.954) 35.139,0.046 44.845,0.051 44.85,0.051 44.85,2.251 cw(c46.85,2.251) 46.85,4.251 47.45,4.251 47.45,27.95 ccw(c45.451,27.95) 45.45,29.949 45.45,29.95 43.066,29.95 43.051,29.95 0.151,29.95 0.151,27.75 cw(c-1.849,27.75) -1.849,25.75 -2.65,25.75 -2.65,2.051 ccw(c-0.653,2.051)

## Silkscreen, mask and mechanical layers (free items; w line width, h text height)
Top Overlay:
  drawing of 25 lines, arcs and shapes, not listed
  text "GND" at 36.7,29.05 h1 r270
  text "TX" at 39.3,28.85 h1 r270
  text "RX" at 41.8,28.8 h1 r270
  text "FSIN" at 28,28.75 h1
  text "GND" at 26.65,26.6 h1
  text "GND" at 12.9,26.35 h1
  text "GPO-R" at 15.45,25.45 h1
  text "GPO-L" at 36.327,25.462 h1
  text "STRB-R" at 7.951,25.403 h1
  text "STRB-L" at 24.734,25.326 h1
  text "2V8" at 19.9,23.75 h1
  text "1V8" at 22.413,23.75 h1
  text "GND" at 22.413,21.35 h1
  text "1V2" at 22.413,18.213 h1
  text "INT" at 18.3,16.1 h1
  text "GND" at 5.15,14.8 h1 r90
  text "WK" at 18.3,13.75 h1
  text "OUT2" at 27.988,13.056 h1 r90
  text "RST" at 7,12.95 h1 r90
  text "+Z" at 18.701,11.481 h1.2
  text "BOOT" at 5.2,10.45 h1 r90
  text "W" at 39.753,10.1 h6
  text "OUT1" at 28.049,9.825 h1 r90
  text "OAK-D-SR" at 0.061,9.232 h3 r90
  text "+Y" at 20.951,8.831 h1.2
  text "+X" at 20.101,7.731 h1.2
  text "5V" at 8.35,5.75 h1
  text "3V3" at 17.55,4.9 h1 r90
  text "VBUS" at 27.713,4.863 h1
  text "e" at 39.292,4.551 h6
  text ".project_title  / .revision" at 4.409,-2.732 h1.5 r90
Bottom Overlay:
  drawing of 7 lines, arcs and shapes, not listed
  text ".project_title  .revision" at 47.25,1.166 h1.5
Board:
  lines w0.013: -2.658,2.053 ccw(c-0.658,2.053) -0.658,0.053 ; -2.658,25.753 -1.907,25.753 ccw(c-1.907,27.803) 0.143,27.803 0.143,29.953 ; 26.967,-0.797 27.322,-0.797 ; 44.842,0.054 44.842,2.253 cw(c46.842,2.253) 46.842,4.253 47.442,4.253 ; 45.442,29.953 cw(c45.442,27.953) 47.442,27.953
  lines w0.025: 44.837,0.054 35.131,0.049 ccw(c35.131,-1.951) 33.716,-0.537 33.457,-0.797 27.322,-0.797 17.678,-0.797 17.414,-0.532 ccw(c16,-1.947) 16,0.053 -0.66,0.056 cw(c-0.66,2.053) -2.658,2.053 -2.658,25.753 -2.457,25.753 -1.857,25.753 ccw(c-1.857,27.753) 0.143,27.753 0.143,29.953 45.442,29.952 cw(c45.443,27.953) 47.442,27.953 47.442,4.253 46.842,4.253 ccw(c46.842,2.253) 44.842,2.253 44.842,0.054

## Text inside footprints (layer, text, board x,y; h text height)
J1: Bottom Assembly "CONNECTOR A" at 41.942,15.675 h1.52 r270
J2: Bottom Assembly "BW2099 Module / <1mm clearance" at 33.3,21.95 h2 r90; Bottom Assembly "CONNECTOR B" at 0.442,15.125 h1.52 r270
J3: Top Overlay "1" at 45.46,29.7 h1 r180
J4: Top Courtyard "OV9282/IMX214" at 35.875,8.977 h1 r180; Top Courtyard "IMX378" at 34,7.889 h1 r180
J5: Top Courtyard "IMX378" at 14,7.889 h1 r180; Top Courtyard "OV9282/IMX214" at 15.875,8.977 h1 r180
U5: Assembly Notes "Based on 0.125 thick stencil" at 22.15,11.395 h0.5